# Altium PCB vme64x6U_ctrlc.PcbDoc (part 13 of 16)
Units mm, origin at the board's own origin, x right, y up, seen from the top; angles counter-clockwise.
Board outline 440 x 340 mm, 6 copper layers (TopLayer, PlaneGnd, PlanePwr, MidLayer3, MidLayer4, BottomLayer); 407 components, 1301 nets, 2174 pads, 980 vias.
Unrouted connection lines stored in the file: 264.
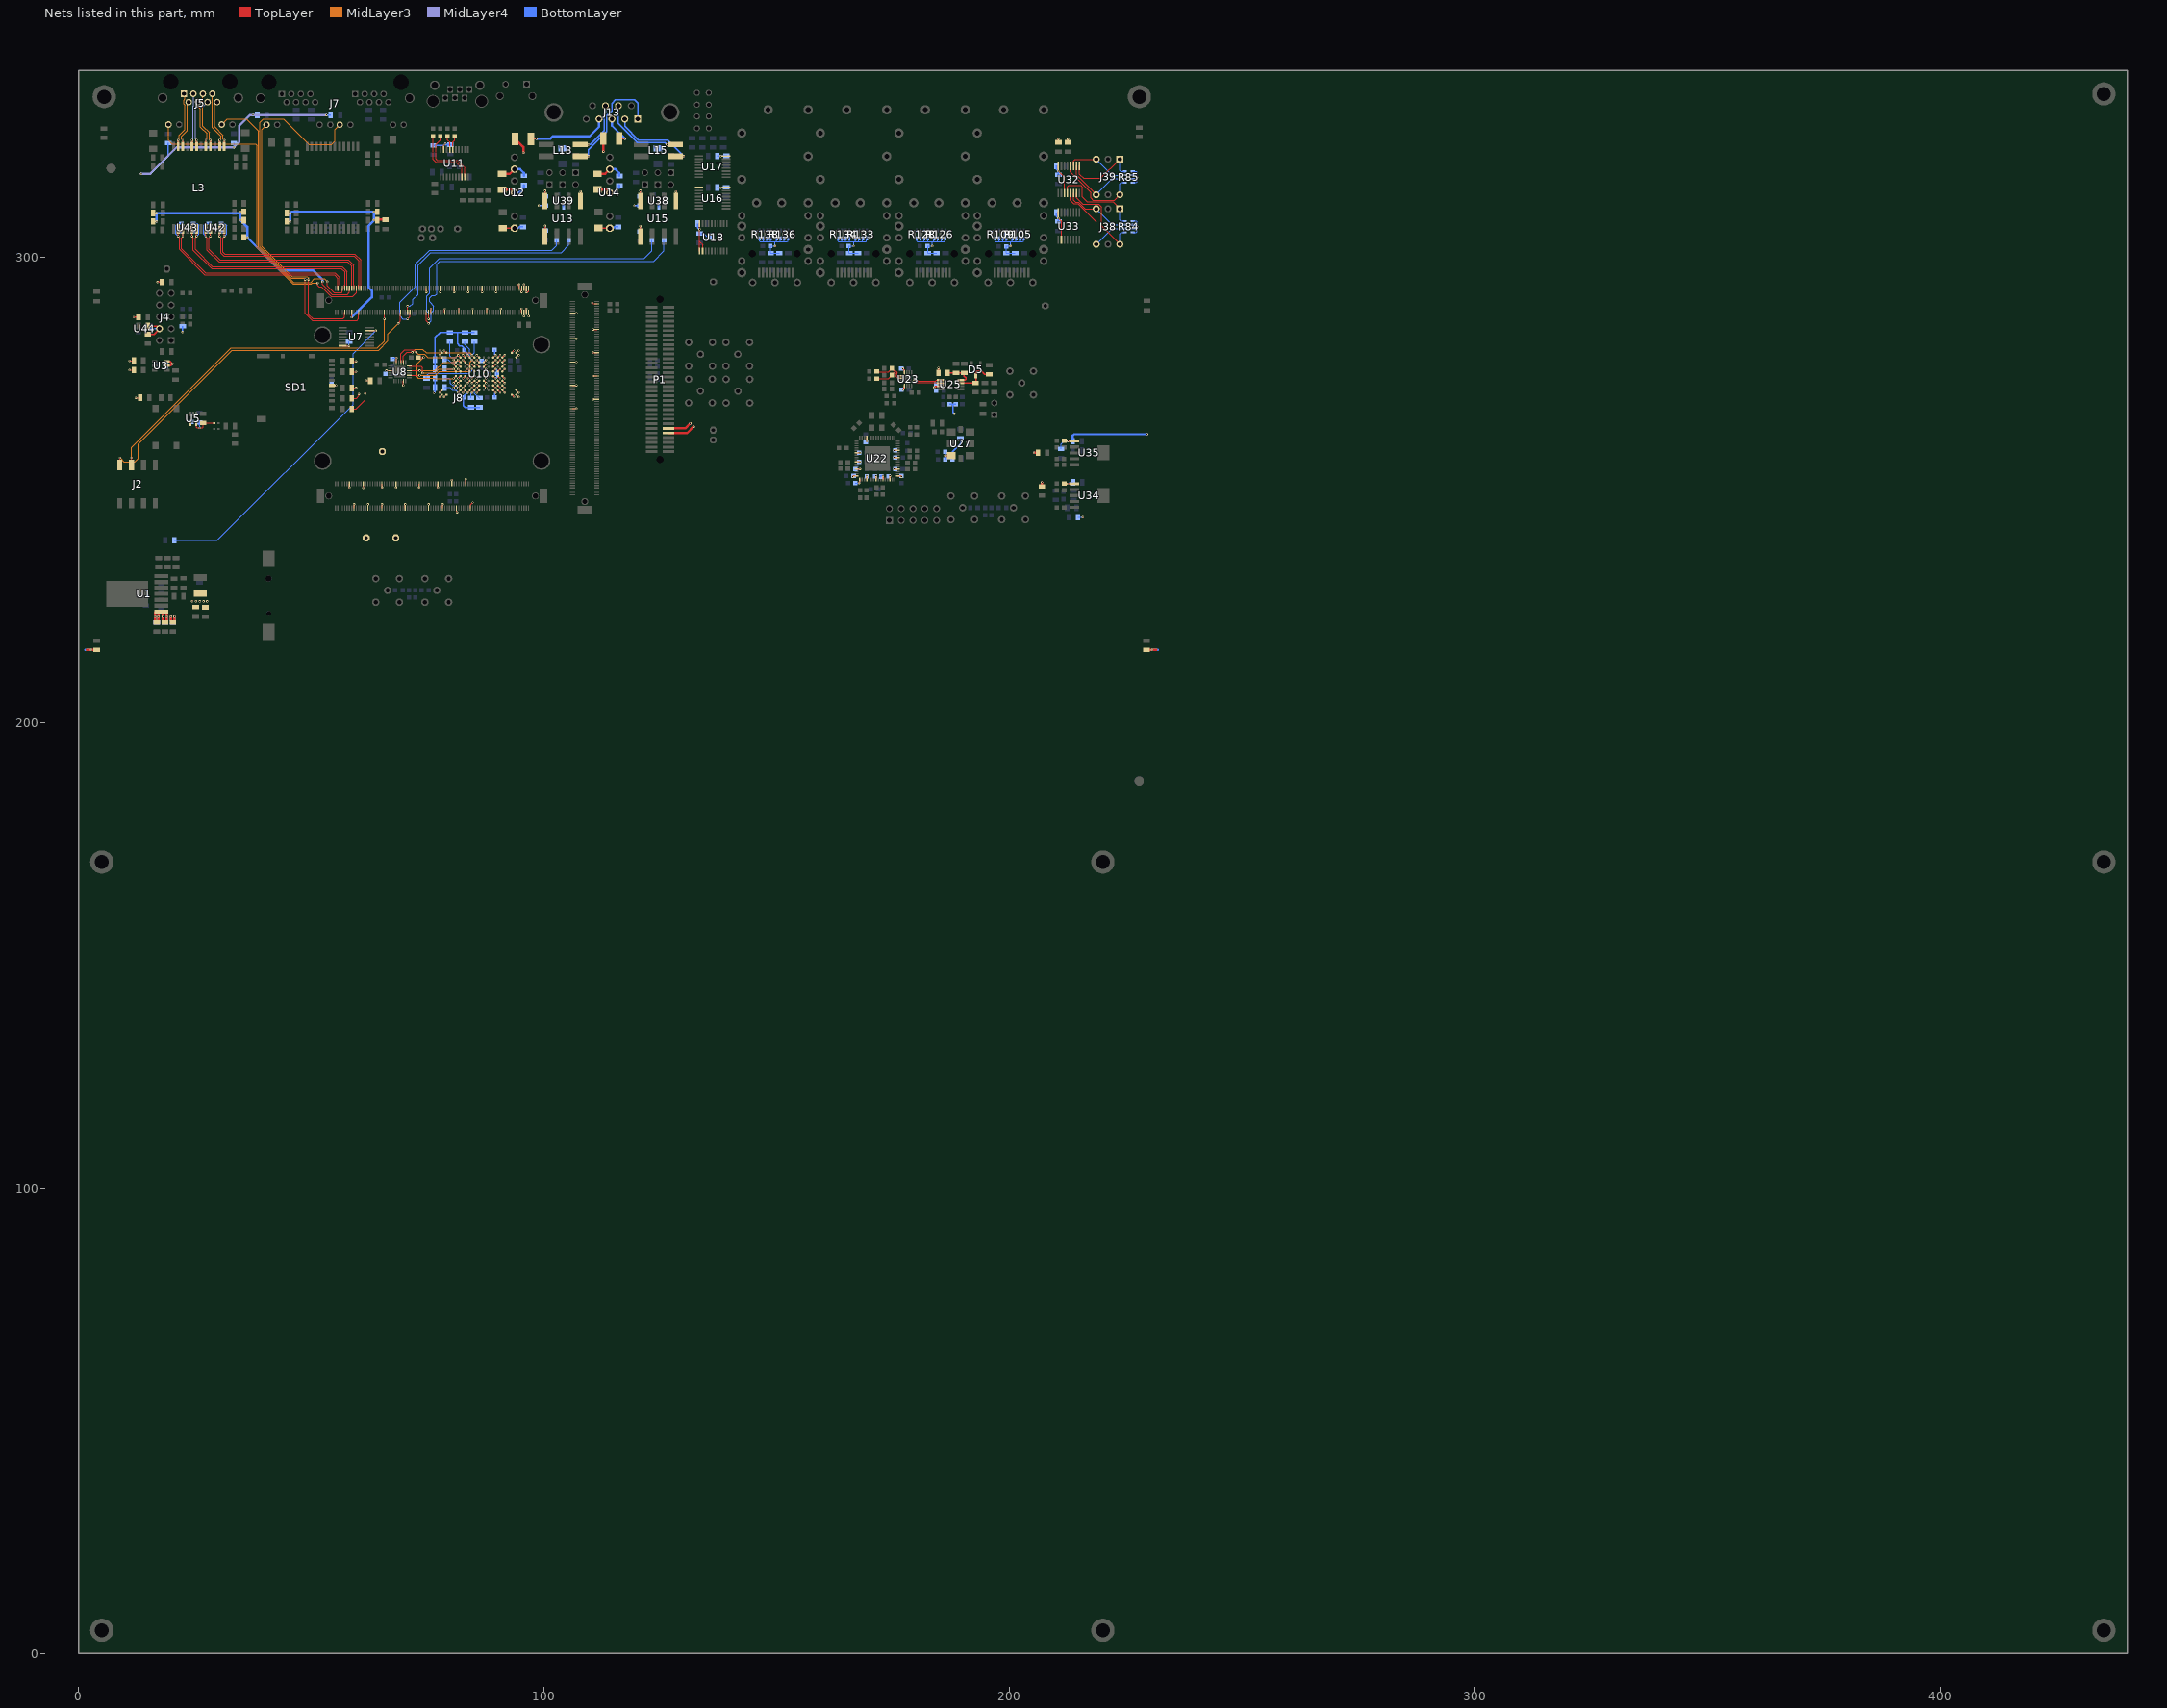
[diagram p17: the nets of this part, all layers, seen from the top]

## Footprints (in the part's own frame and the unit in brackets; to place one, negate y for a bottom-side part, rotate by r counter-clockwise, add the part's x,y. Pads: shape width x height; smd on the part's side, far side on the other; paste and mask are expansions set on the pad) (continued)
TYCO_120521-1 [mm] "1mm Centerline, FH (IEEE 1386) Surface Mount, Stacking Board-to-Board Female Connectors"
  rect 0.6x2.4 smd: 1(1.7,-1.8) 2(1.7,1.8) 3(2.7,-1.8) 4(2.7,1.8) 5(3.7,-1.8) 6(3.7,1.8) 7(4.7,-1.8) 8(4.7,1.8) 9(5.7,-1.8) 10(5.7,1.8) 11(6.7,-1.8) 12(6.7,1.8) 13(7.7,-1.8) 14(7.7,1.8) 15(8.7,-1.8) 16(8.7,1.8) 17(9.7,-1.8) 18(9.7,1.8) 19(10.7,-1.8) 20(10.7,1.8) 21(11.7,-1.8) 22(11.7,1.8) 23(12.7,-1.8) 24(12.7,1.8) 25(13.7,-1.8) 26(13.7,1.8) 27(14.7,-1.8) 28(14.7,1.8) 29(15.7,-1.8) 30(15.7,1.8) 31(16.7,-1.8) 32(16.7,1.8) 33(17.7,-1.8) 34(17.7,1.8) 35(18.7,-1.8) 36(18.7,1.8) 37(19.7,-1.8) 38(19.7,1.8) 39(20.7,-1.8) 40(20.7,1.8) 41(21.7,-1.8) 42(21.7,1.8) 43(22.7,-1.8) 44(22.7,1.8) 45(23.7,-1.8) 46(23.7,1.8) 47(24.7,-1.8) 48(24.7,1.8) 49(25.7,-1.8) 50(25.7,1.8) 51(26.7,-1.8) 52(26.7,1.8) 53(27.7,-1.8) 54(27.7,1.8) 55(28.7,-1.8) 56(28.7,1.8) 57(29.7,-1.8) 58(29.7,1.8) 59(30.7,-1.8) 60(30.7,1.8) 61(31.7,-1.8) 62(31.7,1.8) 63(32.7,-1.8) 64(32.7,1.8)
  round 1 hole 1.5 unplated: 65(0,0) 66(34.4,0)
  silkscreen extent -0.75,-3.73 35.15,3.03, body extent -0.75,-3.02 35.15,3.03, height 5.4

## Part data
C3 C7 C8 C9 C10 C11 C12 C13 C14 C15 C16 C17 C18 C30 C31 C32 C33 C34 C35 C36 C37 C38 C39 C40 C41 C42 C43 C44 C45 C46 C47 C48 C49 C50 C51 C52 C53 C54 C55 C56 C57 C58 C59 C60 C77 C78 C80 C85 C86 C89 C90 C92 C101 C103 C104 C105 C106 C107 C110 C111 C113 C114 C115 C116 C118 C119 C121 C123 C124 C126 C128 C130 C131 C132 C133 C134 C135 C137 C138 C139 C140 C141 C144 C150 C152 C155 C156 C158 C162 C163 C164 C166 C167 C168 C169 C171 C172 C173 C174 C176 C177 C178 C179 C180 C181 C182 C183 C184 C185 C186 C187 C188 C190 C197 C198 C199 C200 C214 C217 C218 C219 C220 C221 C222 C223 C224 C225: library part CAPC, "Generic ceramic SMD capacitor", Last Change Data=06.03.2017, Maintainer="Evgeniy Kotov", Release Date=06.03.2017, SMD Solders=2, THD Solders=0
  C3 C9 C12 C15 C32 C52 C78 C80 C162 C163 C164 C166 C167 C168 C169 C171 C172 C173 C174 C181 C184 C186 C187 C190 C199 C221 C222 C225: PartField=0.1uF, Pkg=0805
  C7 C8 C10 C11 C16 C17 C18 C85 C92 C101 C113 C130 C144 C150 C158 C217 C218 C219 C220 C223 C224: PartField=22uF, Pkg=0805
  C13: PartField=120pF, Pkg=0805
  C14: PartField=270pF, Pkg=0805
  C30 C31 C33 C34: PartField=47uF, Pkg=1006
  C35 C36 C37 C38 C39 C40 C41 C42 C43 C44 C45 C46 C47 C48 C49 C50 C51 C54 C56 C57 C58 C59 C60 C86 C89 C90 C103 C104 C105 C106 C107 C110 C111 C114 C115 C116 C118 C119 C121 C123 C124 C126 C128 C131 C132 C133 C134 C135 C137 C138 C139 C140 C141 C152 C155 C156 C176 C177 C178 C179 C180 C182 C183 C185 C188 C197 C198 C200 C214: PartField=100nF, Pkg=0603
  C53: PartField=1nF, Pkg=0805
  C55 C77: PartField=10nF, Pkg=0603
C4: library part CAPC, "Generic ceramic SMD capacitor / +' x '+Voltage Rating", VoltageRating=2kV, Last Change Data=06.03.2017, Maintainer="Evgeniy Kotov", PartField=1nF, Pkg=1206, Release Date=06.03.2017, SMD Solders=2, THD Solders=0
C5 C6 C19 C20 C21 C24 C25 C26 C27 C29 C70 C71 C72 C75 C175 C212: library part CAPC, "Generic ceramic SMD capacitor", Voltage Rating=10V, Last Change Data=06.03.2017, Maintainer="Evgeniy Kotov", Pkg=0805, Release Date=06.03.2017, SMD Solders=2, THD Solders=0
  C5 C6 C19 C20 C21 C24 C25 C26 C27 C29 C71 C75 C175 C212: PartField=1uF
  C70 C72: PartField=22uF
C22 C23 C28 C165 C170: library part CAPC, "Generic ceramic SMD capacitor", VoltageRating=2kV, Last Change Data=06.03.2017, Maintainer="Evgeniy Kotov", PartField=1nF, Pkg=1206, Release Date=06.03.2017, SMD Solders=2, THD Solders=0
D1 D2: "Schottky Barrier Diode", Forward Current=100mA, Forward Voltage="0.38V @ 1mA / 1V @ 40mA", Reverse Current=15mA, Reverse Voltage=40V, Temperature Range="-55°C to +150°C", Last Change Data=28.03.2017, Maintainer="Evgeniy Kotov", PartField=BAS40SL, Pkg=SOD-923F, Release Date=28.03.2017, SMD Solders=2, THD Solders=0, Vendor=Vishay
D3: library part LED_SMD0603, "SMD Led, 0603", Color=Blue, Forward Current=5mA, Temperature Range="-55°C to +150°C", Last Change Data=28.03.2017, Maintainer="Evgeniy Kotov", PartField="LB Q39E-N1OO-35-1", Pkg=0603, Release Date=28.03.2017, SMD Solders=2, THD Solders=0, Vendor=Vishay
D4: library part LEDx4_H485CGDL, "LED Circuit Board Indicator 4 High Green (x 4) Diffused 2.1V Round with Domed Top, 1.80mm Through Hole", Color=Green, Forward Current=5mA, Temperature Range="-55°C to +150°C", Last Change Data=28.03.2017, Maintainer="Evgeniy Kotov", PartField=H485CGDL, Pkg="8 pin THD Led", Release Date=28.03.2017, SMD Solders=0, THD Solders=8, Vendor="Bivar Inc."
D5: "High Conductance Low Leakage Diode", HelpURL=https://www.engineering.uiowa.edu/sites/default/files/ees/files/NI/pdfs/01/30/DS013013.pdf, PartField=MMBD1503, Pkg=SOT-3N, SMD Solders=3, SolderOption=0, THD Solders=0
J2: library part DIPSW4, "SMD DIP Switch, Omron A6H or A6SN series", Manufacturer=Omron, PartField=A6SN-4104, Pkg="SMD 8pin", SMD Solders=8, THD Solders=0
J3: "Tactile Switch SPST-NO Top Actuated Surface Mount", ComponentLink1Description=Datasheet, Last Change Data=02.04.2017, Maintainer="Evgeniy Kotov", PartField=PTS645SL43SMTR92, Pkg="Button 4 pin", Release Date=02.04.2017, SMD Solders=4, THD Solders=0
J4 J29: library part IDC-10MS, "Connector, 5x2, Male, 2.54mm Pitch, Strait contacts, with Body", ComponentLink1Description=Datasheet, Last Change Data=28.03.2017, Maintainer="Evgeniy Kotov", PartField=IDC-10MC, Pkg=IDC-10, Release Date=28.03.2017, SMD Solders=0, THD Solders=10
J5: library part RJ45-RJHSE-5381, "High Speed RJ45, Modular Jack, 8 Position, 8 Contacts, Shielded, with LEDs, -55 to 85 degC,12-Pin THD, RoHS, Tray", LED Color=Yellow-Green, Manufacturer=Amphenol, Operating Temperature=-55°C~85°C, Package Description="12-Pin Through Hole Device, Body 16.51 x 15.75 mm", Ratings=-, Standard Package=120, 3D Model=RJHSE538x.stpRJHSE538x.igs, Catalog Drawings=RJ45SeriesRightAngle, Category=Connectors,Interconnects, Connector Type=Jack, Contact Finish=Gold, Contact Finish Thickness=50µin(1.27µm), Contact Material=PhosphorBronze, Datasheet URL=https://datasheet.ciiva.com/16481/rjhse538x-16481714.pdf, Datasheet Version="Rev. K, 04/2014", Family=ModularConnectors-Jacks, Featured Product=ModularJacksProductSolutions, Features=BoardLock, Housing Material=Thermoplastic, Ingress Protection=-, Manufacturer URL=http://www.amphenol.com/, Mounting Technology=ThroughHole, Mounting Type=ThroughHole, Number of Ports=1, Number of Positions/Contacts=8p8c(RJ45,Ethernet), Number of Rows=1, Online Catalog=RJHSESeries, Orientation=90°Angle(Right), Other Names=RJHSE5381, Package Reference=RJHSE-5381, Packaging=Tray, PartField=RJHSE-5381, PCN Design/Specification=MultipleSeriesCopper29/Jan/2009RJHSEShieldMaterial30/Jun/2015, Pkg="LAN conn", Series=RJHSE, Shielding=Shielded,EMIFinger, SMD Solders=0, Tab Direction=Up, Termination=Solder, THD Solders=14
J6: library part BAT_CR1220, "BATTERY HOLDER COIN 12.5MM SMD", ComponentLink1Description=Datasheet, Last Change Data=02.04.2017, Maintainer="Evgeniy Kotov", PartField=BC501SM, Pkg="12MM SMD", Release Date=02.04.2017, SMD Solders=2, THD Solders=0
J7: library part RJ45-RJHSE-5381-2, "Dual Port, High Speed RJ45, Modular Jack, 8 Position, 8 Contacts, Shielded, with LEDs, -55 to 85 degC,12-Pin THD, RoHS, Tray", LED Color=Yellow-Green, Manufacturer=Amphenol, Operating Temperature=-55°C~85°C, Package Description="12-Pin Through Hole Device, Body 16.51 x 15.75 mm", Package Reference=RJHSE-5381, Ratings=-, Standard Package=120, 3D Model=RJHSE538x.stpRJHSE538x.igs, Catalog Drawings=RJ45SeriesRightAngle, Category=Connectors,Interconnects, Connector Type=Jack, Contact Finish=Gold, Contact Finish Thickness=50µin(1.27µm), Contact Material=PhosphorBronze, Datasheet URL=https://datasheet.ciiva.com/16481/rjhse538x-16481714.pdf, Datasheet Version="Rev. K, 04/2014", Family=ModularConnectors-Jacks, Featured Product=ModularJacksProductSolutions, Features=BoardLock, Housing Material=Thermoplastic, Ingress Protection=-, Manufacturer URL=http://www.amphenol.com/, Mounting Technology=ThroughHole, Mounting Type=ThroughHole, Number of Ports=1, Number of Positions/Contacts=8p8c(RJ45,Ethernet), Number of Rows=1, Online Catalog=RJHSESeries, Orientation=90°Angle(Right), Other Names=RJHSE5381, Packaging=Tray, PartField=RJHSE-5381-2, PCN Design/Specification=MultipleSeriesCopper29/Jan/2009RJHSEShieldMaterial30/Jun/2015, Pkg="LAN x2", Series=RJHSE, Shielding=Shielded,EMIFinger, SMD Solders=0, Tab Direction=Up, Termination=Solder, THD Solders=28
J8: library part FX10A-168P-SV_ME-SA2+, HelpURL=https://www.hirose.com/product/document?clcode=CL0570-0044-8-71&productname=FX10A-168P-SV(71)&series=FX10&documenttype=Catalog&lang=ru&documentid=D31650_en, PartField=FX10A-168P-SV1(71), PIN_COUNT=168, Pkg="SMD 170pin", SMD Solders=170, SolderOption=0, THD Solders=0
J9: library part RJ-14, PartField=1734723-1@TYCO, Pkg=RJ14-6p, SMD Solders=0, THD Solders=10
J10 J12 J20 J21 J23 J24 J32 J36 J37: library part LEMO_EPA.00.250, PartField=EPA.00.250.NTN, Pkg="LEMO 5pin", SMD Solders=0, SolderOption=0, THD Solders=5
J11: "Tactile Switch SPST-NO Side Actuated Through Hole, Right Angle", ComponentLink1Description=Datasheet, Last Change Data=02.04.2017, Maintainer="Evgeniy Kotov", PartField=PTS645VL582LFS, Pkg="Button 4 pin", Release Date=02.04.2017, SMD Solders=0, THD Solders=4
J13: "D-SUB; 9-pin, male, flange 7.2mm", PartField=DRB-9MA, Pkg=DRB-9MA, SMD Solders=0, SolderOption=0, THD Solders=11
J14 J15 J16 J17 J18 J19: "Connector, 5x2, Male, 2.54mm Pitch, Right Angle", ComponentLink1Description=Datasheet, Last Change Data=02.04.2017, Maintainer="Evgeniy Kotov", PartField=PLS-2, Pkg=PLS-2, Release Date=02.04.2017, SMD Solders=0, THD Solders=2
J25 J27 J30 J33: library part MOLX-74754-0101, "SFP+ Cage, Single Port, Height 10.85 mm, Tail Height 3.05 mm, -40 to 85 degC, RoHS, Tray", Package Quantity=1152, ComponentLink1Description="Manufacturer URL", ComponentLink1URL=http://www.molex.com/, ComponentLink2Description=Datasheet, ComponentLink2URL=http://www.molex.com/webdocs/datasheets/pdf/en-us/0747540101_IO_CONNECTORS.pdf, ComponentLink3Description="Package Specification", ComponentLink3URL=http://www.molex.com/pdm_docs/sd/747540101_sd.pdf, DatasheetVersion="Rev. Jul-15", Height="10.85 mm", Length="15.9 mm", Mounting Technology="Through Hole", PackageDescription="SFP+ Cage, Single Port, Height 10.85 mm, Tail Height 3.05 mm", PackageVersion="Rev. J, 02/2015", Packaging=Tray, PartField=74754-0101, PartNumber=74754-0101, Pkg="SFP cage", Radiation Hardening=No, RoHSCompliant=True, SMD Solders=0, THD Solders=20, Width="49 mm"
J26 J28 J31 J34: library part MOLEX-74441-0001, "CONN SFP+ RCPT 20POS SLD R/A SMD", Package Quantity=1152, ComponentLink1Description="Manufacturer URL", ComponentLink1URL=http://www.molex.com/, ComponentLink2Description=Datasheet, ComponentLink2URL=http://www.molex.com/webdocs/datasheets/pdf/en-us/0747540101_IO_CONNECTORS.pdf, ComponentLink3Description="Package Specification", ComponentLink3URL=http://www.molex.com/pdm_docs/sd/747540101_sd.pdf, DatasheetVersion="Rev. Jul-15", Height="10.85 mm", Length="15.9 mm", Mounting Technology="Through Hole", PackageDescription="CONN SFP+ RCPT 20POS SLD R/A SMD", PackageVersion="Rev. J, 02/2015", Packaging=Tray, PartField=74441-0001, PartNumber=74441-0001, Pkg="SMD SFP conn", Radiation Hardening=No, RoHSCompliant=True, SMD Solders=20, THD Solders=0, Width="49 mm"
J35: library part JUMPER2, PartField=PLS-2, Pkg=PLS-2, SMD Solders=0, SolderOption=0, THD Solders=2
L2 L5 L6 L7: library part BLM21RK102SN1D, "Ferrite Beads, 0805, 1 kOhm", DC Current=200mA, DC Resistance=500m?, Temperature Range="-55°C to +125°C", Tolerance=25%, Last Change Data=30.03.2017, Maintainer="Evgeniy Kotov", PartField=BLM21RK102SN1D, Pkg=0805, Release Date=30.03.2017, SMD Solders=2, THD Solders=0, Vendor=Murata
L3 L9: library part LAN_1G_TR_H5008NL, "LAN Transformer fog 1GbE, 12 coils, 4 pairs.", Temperature Range="-25°C to +85°C", Tolerance=2%, Last Change Data=31.03.2017, Maintainer="Evgeniy Kotov", PartField=H5008NL, Pkg=H5008NL, Release Date=31.03.2017, SMD Solders=2, THD Solders=0, Vendor="Pulse Electronics"
L4 L12 L14: "Inductor, Fixed, 1210, 4.7uH, 216mOhm, 1A, 30%", DC Current=750mA, DC Resistance=380m?, Temperature Range="-40°C to +105°C", Tolerance=20%, Last Change Data=30.03.2017, Maintainer="Evgeniy Kotov", PartField=LQH32PN4R7NN0L, Pkg=1210, Release Date=30.03.2017, SMD Solders=2, THD Solders=0, Vendor=Murata
L7 L8 L10 L11: "Ferrite Beads, 0805, 1 kOhm", DC Current=200mA, DC Resistance=500m?, Temperature Range="-55°C to +125°C", Tolerance=25%, Last Change Data=30.03.2017, Maintainer="Evgeniy Kotov", PartField=BLM21RK102SN1D, Pkg=0805, Release Date=30.03.2017, SMD Solders=2, THD Solders=0, Vendor=Murata
L16 L17 L18 L19 L20 L21 L22 L23: "Ferrite Beads, 0805, 220 Ohm, 2A", DC Current=200mA, DC Resistance=50m?, Temperature Range="-55°C to +125°C", Tolerance=25%, Last Change Data=30.03.2017, Maintainer="Evgeniy Kotov", PartField=BLM21PG221SN1, Pkg=0805, Release Date=30.03.2017, SMD Solders=2, THD Solders=0, Vendor=Murata
P1: library part PCI_PMC_TYCO_120521-1, "PCI Mezzanine Connector; IEEE 1386", Manufacturer="TE Connectivity", PartField=TYCO_120521-1, Pkg="SMD 64 pin", SMD Solders=64, THD Solders=0
R1 R2 R3 R7 R8 R9 R10 R11 R12 R13 R14 R15 R16 R17 R18 R19 R20 R21 R22 R23 R24 R25 R26 R27 R28 R29 R30 R31 R32 R33 R34 R35 R36 R37 R38 R39 R40 R41 R42 R43 R44 R45 R46 R53 R54 R55 R56 R57 R58 R59 R60 R61 R62 R63 R64 R65 R66 R68 R69 R70 R71 R72 R73 R74 R75 R77 R79 R80 R81 R90 R91 R93 R94 R95 R96 R108 R112 R115 R116 R118 R119 R120 R122 R124 R127 R130 R132 R139 R140 R141 R142 R143 R144 R145 R146 R147 R148 R149 R150 R151 R152 R153 R154 R155 R156 R157 R158 R159 R160 R161 R162 R163 R164 R165 R166 R167 R169 R170 R171 R172 R174 R175 R176 R177 R178 R179 R180 R183 R184 R185 R186 R189 R190 R191 R192 R193 R194: library part RESC, "Resistor, Generic, SMD", Last Change Data=09.03.2017, Maintainer="Evgeniy Kotov", Release Date=06.03.2017, SMD Solders=2, THD Solders=0
  R1 R2 R80 R81: PartField=10M?, Pkg=0805
  R3 R73 R74 R79 R189: PartField=0?, Pkg=0805
  R7 R9 R15 R28 R29 R30 R31 R32 R35 R64 R163 R164 R165 R166 R167 R169 R170 R171 R172 R175 R191: PartField=10k?, Pkg=0805
  R8 R10 R21 R39 R69 R71 R174: PartField=51k?, Pkg=0805
  R11 R14 R17 R25 R43 R44 R45 R46 R141 R143 R145 R146 R192: PartField=1k?, Pkg=0805
  R12 R13 R23 R24 R26 R27 R33 R34 R178 R179 R183 R184: PartField=75?, Pkg=0805
  R16: PartField=75k?, Pkg=0805
  R18 R36 R37 R38 R40 R41 R42 R53 R63 R65 R66 R132 R148 R153 R156 R157 R176: PartField=22?, Pkg=0603
  R19 R20 R54 R59 R108 R112 R115 R116 R130 R149 R150 R151 R152 R159 R160 R161 R162 R177 R190: PartField=100?, Pkg=0603
  R22: PartField=43k?, Pkg=0805
  R55 R56 R57 R58: PartField=91?, Pkg=0603
  R60: PartField=68?, Pkg=0603
  R61: PartField=820?, Pkg=0603
  R62 R72: PartField=51?, Pkg=0805
  R68 R70 R90 R95 R180 R185 R186 R193: PartField=150?, Pkg=0805
  R75 R77 R93 R94 R96 R119 R120 R139 R140 R142 R144: PartField=5.1k?, Pkg=0805
  R91: PartField=12k?, Pkg=0805
  R118 R122 R124 R127: PartField=*?, Pkg=0603
  R147 R154 R155 R158: PartField=62?, Pkg=0805
  R194: PartField=24k?, Pkg=0805
R84 R85 R105 R109 R126 R128 R133 R134 R136 R138: library part RESPACK4, Last Change Data=16.05.2019, Maintainer="Anton Pavlenko", Pkg="SMD 8pin", Release Date=16.05.2019, SMD Solders=8, THD Solders=0
  R84 R85: PartField=CAY16-4702F4LF
  R105 R109 R126 R128 R133 R134 R136 R138: PartField=CAY16-1002F4LF
SD1: "Micro SD Card Connector, 0.5 A, 125 V, -25 to 85 degC, 8-Pin SMD, RoHS, Tape and Reel", Manufacturer="Hirose Electric", Package Description="8-Pin Surface Mount Device, Body 16.15 x 13.85 mm, Pitch 1.1 mm", Package Reference=DM3AT-8, Standard Package=1, Card Type=SecureDigital-microSD™, Category=Connectors,Interconnects, Connector Type=ConnectorandEjector, Contact Finish=Gold, Contact Finish Thickness=-, Datasheet URL=https://ciiva.com/datasheet-click-46418261?src=ciiva&sig=4019062a, Datasheet Version=Jun-10, Ejector Side=-, Family=MemoryConnectors-PCCardSockets, Featured Product=DM3ATSeries, Features=Switch, HTML Datasheet=DM3SeriesmicroSD.html, Insertion, Removal Method=PushIn,PushOut, Manufacturer URL=https://www.hirose.com, Mounting Feature=Normal,Standard-Top, Mounting Type=SurfaceMount,RightAngle, Number of Positions=10(8+2), Online Catalog=DM3Series, Other Names=HR1964DKR, Package URL=https://www.hirose.com/product/en/download_file/key_name/DM3/category/Catalog/doc_file_id/49662/?file_category_id=4&item_id=195&is_series=1, Packaging=Digi-Reel, PartField=DM3AT-SF-PEJM5, Pkg="SD card hlder", Product Training Modules=DM3SeriesmicroSDCardSockets, Series=DM3, SMD Solders=14, THD Solders=0, Vendor="Hirose Electric"
TP1 TP2 TP3 TP4 TP5 TP6 TP7 TP8 TP9 TP10 TP11 TP12 TP13 TP14: library part TestPoint, "testPoint", PartField="test point", Pkg=DNP, SMD Solders=0, SolderOption=0, THD Solders=0, Vendor=BINP
U1: library part LMZ10504EXT_NDW, "4A, SIMPLE SWITCHER® Power Module with 5.5V Maximum Input Voltage for Military and Rugged Applications", Manufacturer="Texas Instruments", Manufacturer_Part_Number=lmz10504ext_ndw_7, NSC_PackageReference=TZA07A, basePN=LMZ10504EXT, HelpURL=http://www.ti.com/lit/ds/symlink/lmz10504ext.pdf, PartField=LMZ10504EXT, Pkg=PMOD-7EP, SMD Solders=8, THD Solders=0, Vendor="Texas Instruments"
U3: "Low-Quiescent-Current Programmable-Delay Supervisory Circuit", ComponentLink1Description=Datasheet, ComponentLink1URL=http://www.ti.com/lit/ds/symlink/dac7565.pdf, Last Change Date=19.03.2017, Maintainer="Evgeniy Kotov", PartField=TPS3808G33QDBVRQ1, Pkg=SOT23-6, Release Date=19.03.2017, SMD Solders=6, THD Solders=0, Vendor="Texas Instruments"
U5: "Ultra low power (Iq=1.2 mkA) LDO 3.3V Fixed", Manufacturer="Texas Instruments", PACKAGE_DESIGNATOR=MF, FAMILY_NAME=LDO, GENERIC_PART_NUMBER=TPS79733DCK, HelpURL=http://www.ti.com/lit/ds/symlink/tps797.pdf, INDUSTRY_STD_PKG_TYPE=SC70-5, Manufacturer_Part_Number=TPS79733DCK, PartField=TPS79733DCK, PIN_COUNT=5, Pkg=SC70-5, SMD Solders=5, THD Solders=0, Vendor="Texas Instruments"
U7: "Sextuple NOR Gate", Manufacturer="Texas Instruments", PACKAGE_DESIGNATOR=PW, FAMILY_NAME=NOR_GATE, GENERIC_PART_NUMBER=SN74LVC04APW, HelpURL=http://www.ti.com/lit/ds/symlink/sn74lvc04a.pdf, INDUSTRY_STD_PKG_TYPE=TSSOP, Manufacturer_Part_Number=SN74LVC04APW, PartField=SN74LVC04APW, PIN_COUNT=14, Pkg=PW-14, SMD Solders=14, THD Solders=0, Vendor="Texas Instruments"
U8: library part TXS02612_RTW_24, "IC SDIO PORT EXPANDER AND LEVEL SHIFTER", Manufacturer="Texas Instruments", Manufacturer_Part_Number=txs02612_rtw_24, PACKAGE_DESIGNATOR=RTW, Datasheet URL=http://www.ti.com/lit/gpn/TXS02612, FAMILY_NAME="APPLICATION SPECIFIC (COMPACT FLASH, SD, MMC, I2C)", GENERIC_PART_NUMBER=TXS02612RTWR, INDUSTRY_STD_PKG_TYPE=QFN, PartField=TXS02612RTWR, PIN_COUNT=24, Pkg=QFN-24EP, RefDes=RefDes, SMD Solders=25, THD Solders=0, Type=DEV, Vendor="Texas Instruments"
U10: library part MTFC32GAKAENA, PartField="MTFC8GACAEDQ-AAT TR", Pkg=LBGA-100, SMD Solders=100, THD Solders=0
U11: library part ADM3222ARU, "RS232", ComponentLink1URL=https://www.analog.com/media/en/technical-documentation/data-sheets/ADM3202_3222_1385.pdf, Last Change Date=24.05.2019, PartField=ADM3222ARUZ, Pkg=TSSOP-20, SMD Solders=20, THD Solders=0, Vendor="Analog Devices"
U12 U14: "AM3G-0505DZ", Manufactuer=Aimtec, HelpURL=http://www.aimtec.com/site/Aimtec/files/Datasheet/HighResolution/AM1D-NZ.pdf, Manufacturer=Aimtec, PartField=AM1D-0505S-N, Pkg=SIP-7pin, SMD Solders=0, SolderOption=0, THD Solders=7, Vendor=Aimtec
U16 U17 U32 U33: "8-Bit I2C-Bus and SMBus Low Power I/O Port with Interrupt", Case=SSOP16, Manufacturer="ANALOG DEVICES", Author="CERN DEM JLC", Bonding=No, ComponentHeight=1.1mm, Component Type=Standard, CreateDate=18/12/2013, Device=PCA9534PW, HelpURL=\\cern.ch\dfs\Applications\Altium\Datasheets\PCA9534PW.pdf, LatestRevisionDate=18/12/2013, Manufacturer Part Number=PCA9534PW, Mounted=Yes, PackageDescription="SOP, 0.65mm pitch; 16 pin, 4.40mm W X 5.00mm L X 1.10mm H body IPC Medium Density", Part Description="8-Bit I2C-Bus and SMBus Low Power I/O Port with Interrupt", PartField=PCA9534PW, Part Number=PCA9534PW, Pin Count=16, Pkg=SSOP16, PressFit=No, Sense=No, SMD=Yes, SMD Solders=16, Socket=No, THD Solders=0
U18: "4-Channel I2C-Bus Multiplexer with Interrupt Logic", Case=SSOP20, Manufacturer="NXP SEMICONDUCTORS", Author="CERN DEM JLC", Bonding=No, ComponentHeight=1.1mm, Component Type=Standard, CreateDate=06/10/2014, Device=PCA9544APW, HelpURL=\\cern.ch\dfs\Applications\Altium\Datasheets\PCA9544APW.pdf, LatestRevisionDate=06/10/2014, Manufacturer Part Number=PCA9544APW, Mounted=Yes, PackageDescription="SOP, 20-Leads, Body 6.6x4.5mm (max), Pitch 0.65mm, IPC Medium Density", Part Description="4-Channel I2C-Bus Multiplexer with Interrupt Logic", PartField=PCA9544APW, Part Number=PCA9544APW, Pin Count=20, Pkg=SSOP20, PressFit=No, Sense=No, SMD=Yes, SMD Solders=20, Socket=No, THD Solders=0
U22: library part Si5395A, Manufacturer=SiLabs, PartField=Si5395A-A-GM, Pkg=QFN-64EP, SMD Solders=65, THD Solders=0, Vendor=SiLabs
U23: "IC CLK FANOUT BUFFER 1:2 16LFCSP", Ambient Temperature Range High=+85°C, Ambient Temperature Range Low=-40°C, Manufacturer="Silicon Labs", Max Junction Temp=+125°C, Max Supply Voltage=3.63V, Min Supply Voltage=1.71V, Nominal Supply Current=65mA, Temperature="-40°C to +85°C", Automotive=No, Category=IC, ComponentLink2Description=Datasheet, ComponentLink2URL=https://www.silabs.com/documents/public/data-sheets/si5330x-datasheet.pdf, Device Class L1="Integrated Circuits (ICs)", Device Class L2="Clock and Timing", Device Class L3="Clock Buffers", Digikey Description="IC CLK BUFFER 2:4 725MHZ 16QFN", Height=0.9mm, Ipc Land Pattern Name=QFN50P300X300X85-16, Last Change Data=09.03.2017, Lead Free=Yes, Logic Function=Non-Inverting, Maintainer="Evgeniy Kotov", Manufacturer Part Number=ADCLK925BCPZ, Mouser Description="Clock Buffer 1:2 Univ bufr/Lvl Trans 725MHz", Number Of Elements=1, Number Of Inputs=2, Number Of Outputs=4, Octopart=https://octopart.com/si53307-b-gm-silicon+labs-51374320, PartField=ADCLK925BCPZ, Pkg=LFCSP-16EP, Propagation Delay=875ps, RoHS=TRUE, SMD Solders=17, Standoff Height=0mm, Temperature Range High=+85°C, Temperature Range Low=-40°C, THD Solders=0
U25: "LVDS Comparator", Manufacturer_Part_Number=ADCMP553BRMZ, PartField=ADCMP553BRMZ, Pkg=MSOP-8, SMD Solders=8, SolderOption=0, THD Solders=0, Vendor="Analog Devices Inc"
U27: library part Si570, "XTAL OSCILLATOR SMD", Ambient Temperature Range High=+85°C, Ambient Temperature Range Low=-40°C, Frequency=0.2-1500MHz, Manufacturer="Silicon Labs", Manufacturer Part Number=541AAA001040BAGR, Max Supply Voltage=3.465V, Min Supply Voltage=2.375V, Nominal Supply Current=100mA, Temperature="-40°C to +85°C", Automotive=No, Category=IC, ComponentLink2Description=Datasheet, ComponentLink2URL=https://www.silabs.com/documents/public/data-sheets/si541-datasheet.pdf, Device Class L1="Integrated Circuits (ICs)", Device Class L2="Clock and Timing", Device Class L3="Timers and Oscillators", Digikey Description="XTAL OSCILLATOR SMD", Height=1.33mm, Last Change Data=09.03.2017, Lead Free=Yes, Maintainer="Evgeniy Kotov", Octopart=https://octopart.com/541aaa001040bagr-silicon+labs-103392146, PartField=570CBC000306DG, Pkg="SMD 6pin", RoHS=TRUE, SMD Solders=6, Temperature Range High=+85°C, Temperature Range Low=-40°C, THD Solders=0
U34: "Single Output LDO, 1.0A, Adj.(1.295 to 5.5V), Low Noise, Fast Transient Response", Manufacturer="Texas Instruments", Manufacturer_Part_Number=reg104-a_dcq_6, PACKAGE_DESIGNATOR=DCQ, Datasheet URL=http://www.ti.com/lit/gpn/REG104-A, FAMILY_NAME="SINGLE CHANNEL LDO", GENERIC_PART_NUMBER=REG104GA-A, INDUSTRY_STD_PKG_TYPE=SOT-223, PartField=REG104GA-A, PIN_COUNT=6, Pkg=SOT-5EP, SMD Solders=6, THD Solders=0, Vendor="Texas Instruments"
U35: "Single Output LDO, 1.0A, Fixed (3.3V), Low Noise, Fast Transient Response", Manufacturer="Texas Instruments", Manufacturer_Part_Number=reg104-33_dcq_6, PACKAGE_DESIGNATOR=DCQ, Datasheet URL=http://www.ti.com/lit/gpn/REG104-A, FAMILY_NAME="SINGLE CHANNEL LDO", GENERIC_PART_NUMBER=REG104GA-3.3, INDUSTRY_STD_PKG_TYPE=SOT-223, PartField=REG104GA-3.3, PIN_COUNT=6, Pkg=SOT-5EP, SMD Solders=6, THD Solders=0, Vendor="Texas Instruments"
U40 U41 U42 U43 U44: "Transimpedance Amplifier; Selectable-Feedback Resistance", ComponentLink1Description=Datasheet, ComponentLink1URL=http://assets.nexperia.com/documents/data-sheet/IP4220CZ6.pdf, Last Change Date=28.03.2017, Maintainer="Evgeniy Kotov", PartField=IP4220CZ6, Pkg=SOT457, Release Date=28.03.2017, SMD Solders=6, THD Solders=0, Vendor=NXP
XC1: library part XTAL_CX3225SB48, "Kyocera XTAL 48MHz CX3225SB48000D0WPSC1", Last Change Data=09.03.2017, Maintainer="Evgeniy Kotov", PartField=CX3225SB48000D0WPSC1, Pkg="4 pin SMD", Release Date=06.03.2017, SMD Solders=4, THD Solders=0, Vendor=Kyocera
J38 J39: PartField=ERD116XSZ, Pkg="Rotary 6pin", SMD Solders=0, SolderOption=0, THD Solders=6, Vendor=ECE
L13 L15: PartField=B82790C0513, Pkg="SMD 4 pin", SMD Solders=4, THD Solders=0, Vendor=Epcos
U13 U15: Order=main, PartField=ISO1050DU, Pkg=SOP-8, SMD Solders=8, THD Solders=0
U38 U39: ComponentLink1Description=Datasheet, ComponentLink1URL=https://static.chipdip.ru/lib/081/DOC001081416.pdf, Last Change Data=05.03.2020, PartField=SM712, Pkg=SOT23-3, SMD Solders=3, THD Solders=0, Vendor=SemTech

## Free pads (board coordinates)
  round 5 hole 3: 0(5,5) 0(5,170) 0(5.5,334.4) 0(220,5) 0(220,170) 0(227.85,334.4) 0(435,5) 0(435,170) 0(435,335)
  round 2 smd mask+1: 2(7,319) 2(227.8,187.4)
  round 2 smd far side mask+1: 2(7,319) 2(227.8,187.4)

## Via types
v1: diameter 0.5, hole 0.2, TopLayer to BottomLayer, tented both sides, 980 vias

## Nets (pads, with @x,y where several pads share a name; then routed paths per layer and width w, separated by ;. In a path a pad name is that pad's centre, name@x,y a point inside that pad or via, vN(x,y) a via of type N, cw(c..) or ccw(c..) an arc to the next point about the centre after c; other vN are vias at no path point)
1V8DPLL: C123.2 C124.2 C139.2 R74.1 U22.32 U22.46 U22.60 | length 3.3
  TopLayer w0.3: v1(166.3,252.8) 166.425,252.925 U22.32@167.075,252.925 ; U22.46@174.275,252.225 v1(174.275,253) ; v1(175.2,258.425) U22.60@175.975,258.425
  TopLayer w0.5: R74.1@206.925,250.7 v1(206.925,251.575)
3V3BATLDO: C212.2 D2.1 R21.2 U5.5 | length 6.9
  TopLayer w0.25: U5.5@25.3,264.125 25.3,263.375 25.425,263.25 v1(26.05,263.25) 26.675,263.25 26.775,263.35 R21.2@26.775,264.3 26.79,264.285 D2.1@29.13,264.285
  BottomLayer w0.25: C212.2@25.95,264.45 25.925,264.425 25.925,263.775 26.05,263.65 v1(26.05,263.25)
3V3d_: 
3V3DDS: 
3V3DPLL: C135.2 R73.1 U22.13 | length 1.7
  TopLayer w0.3: v1(169.275,260.35) U22.13@169.275,261.125
  TopLayer w0.5: v1(205.2,257.9) R73.1@206.075,257.9
3V3H: 
3V3int: 
3V3RF: 
3V3s_: 
3V3SL: 
3Vi: 
12DDS: 
+1V8MOD: J8.B52 J8.B76 J8.B108 J8.B128 TP4.1 | length 3.8
  TopLayer w0.2: J8.B128@65.175,246.05 v1(65.175,246.85) ; J8.B108@70.175,246.05 v1(70.175,246.85) ; J8.B76@78.175,246.05 v1(78.175,246.85) ; J8.B52@84.175,246.05 84.175,246.75 v1@84.65,247.225
  other v1: 84.675,247.225
+2V5MOD: C118.2 C119.2 C121.2 C126.2 C128.2 C131.2 C132.2 C133.2 C137.2 C138.2 J8.A53 J8.A62 J8.A65 J8.A89 J8.B64 J8.B67 J8.B88 J8.B95 J8.B140 J8.B143 J8.C76 J8.C83 J8.C116 J8.C123 J8.C158 J8.C165 TP2.1 U22.22 U22.26 U22.29 U22.33 U22.36 U22.40 U22.43 U22.49 U22.52 U22.57 | length 23.9
  TopLayer w0.15: J8.C76@106.125,267.4 v1(106.925,267.4) ; J8.C116@106.125,277.4 v1(106.925,277.4) ; J8.C158@106.125,287.9 v1(106.925,287.9) ; v1(110.525,269.4) J8.C83@111.325,269.4 ; v1@110.525,279.4 J8.C123@111.325,279.4 ; v1@110.525,289.918 J8.C165@111.325,289.918
  TopLayer w0.2: v1(61.175,250.4) J8.B143@61.175,251.25 ; J8.B140@62.175,246.05 v1(62.175,246.85) ; v1(73.175,250.45) J8.B95@73.175,251.25 ; v1(74.675,292.45) J8.A89@74.675,293.25 ; J8.B88@75.175,246.05 v1(75.175,246.85) ; J8.B67@80.175,251.25 v1(80.175,252.05) ; v1(80.675,292.45) J8.A65@80.675,293.25 ; J8.B64@81.175,246.05 81.175,245.25 v1(81.3,245.125) ; J8.A62@81.675,288.05 v1(81.675,288.85) ; v1(83.675,292.45) J8.A53@83.675,293.25
  TopLayer w0.3: U22.29@167.075,254.425 v1(167.85,254.425) ; U22.26@167.075,255.925 v1(167.85,255.925) ; U22.22@167.075,257.925 v1(167.85,257.925) ; v1(167.65,251.45) 167.775,251.575 U22.33@167.775,252.225 ; U22.36@169.275,252.225 v1(169.275,253) ; U22.40@171.275,252.225 v1(171.275,253) ; U22.43@172.775,252.225 v1(172.775,253) ; v1(175.2,254.425) U22.52@175.975,254.425 ; v1(175.2,256.925) U22.57@175.975,256.925 ; U22.49@175.975,252.925 176.625,252.925 v1(176.75,252.8)
  BottomLayer w0.25: C137.2@166.85,251.4 167.6,251.4 v1(167.65,251.45) ; C138.2@166.85,254.425 v1(167.85,254.425)
  BottomLayer w0.3: C128.2@170.9,253 v1(171.275,253) ; C126.2@172.075,252.8 172.275,253 v1(172.775,253)
  other v1: 110.425,279.5 110.35,290.093
+3.3VD: C3.2 C16.2 C17.2 C58.2 C70.2 C78.1 C80.1 C90.2 C103.1 C104.1 C106.1 C107.1 C111.2 C115.2 C116.2 C141.2 C156.2 C162.1 C163.1 C164.1 C167.2 C172.2 C177.1 C178.1 C179.1 C180.1 C182.1 C183.1 C187.2 C197.1 C198.1 C200.1 C221.2 J4.4 J8.A38 J8.A41 J8.A74 J8.A77 L4.2 L16.1 L17.1 L18.1 L19.1 L20.1 L21.1 L22.1 L23.1 P1.9 P1.11 R7.1 R8.1 R9.2 R10.1 R11.2 R15.2 R28.1 R29.1 R30.1 R31.1 R32.1 R35.2 R64.2 R75.2 R77.2 R84.5 R84.6 R84.7 R84.8 R85.5 R85.6 R85.7 R85.8 R90.2 R93.1 R94.1 R105.1 R105.2 R105.3 R105.4 R109.1 R109.2 R109.3 R109.4 R119.1 R120.1 R122.1 R124.1 R126.1 R126.2 R126.3 R126.4 R128.1 R128.2 R128.3 R128.4 R133.1 R133.2 R133.3 R133.4 R134.1 R134.2 R134.3 R134.4 R136.1 R136.2 R136.3 R136.4 R138.1 R138.2 R138.3 R138.4 R139.2 R140.2 R142.2 R144.1 R163.1 R164.1 R165.1 R166.1 R167.1 R169.1 R170.1 R171.1 R172.1 R174.2 R180.1 R185.1 R186.1 R189.1 R191.2 R193.1 SD1.4 U3.5 U3.6 U8.5 U8.17 U8.21 U10.F2 U10.F3 U10.F4 U10.F5 U10.F6 U10.F7 U10.F8 U10.F9 U10.H3 U10.H8 U10.L2 U10.L4 U10.L7 U10.L9 U10.P3 U10.P8 U11.19 U13.1 U15.1 U16.1 U16.16 U17.16 U18.1 U18.2 U18.20 U23.8 U23.13 U25.7 U27.6 U32.3 U32.16 U33.2 U33.16 U34.1 U44.5 | length 312.5
  TopLayer w0.15: v1(66.125,275.55) U8.21@67.025,275.55 ; U8.17@68.275,277.3 v1(68.275,278.275) ; v1(69.775,272.375) U8.5@69.775,273.3 ; v1(80.55,271.875) U10.P8@81.05,272.375 ; v1(80.55,277.875) U10.P3@81.05,277.375 ; v1(83.55,270.875) U10.L9@84.05,271.375 ; v1(83.55,272.875) U10.L7@84.05,273.375 ; v1(83.55,276.875) U10.L4@84.05,276.375 ; v1(83.55,278.875) U10.L2@84.05,278.375 ; U10.H8@87.05,272.375 v1(87.55,271.875) ; U10.H3@87.05,277.375 v1(87.55,277.875) ; U10.F9@89.05,271.375 v1(89.55,270.875) ; U10.F8@89.05,272.375 v1(89.55,271.875) ; U10.F7@89.05,273.375 v1(89.55,272.875) ; U10.F6@89.05,274.375 v1(89.55,273.875) ; U10.F5@89.05,275.375 v1(89.55,275.875) ; U10.F4@89.05,276.375 v1(89.55,276.875) ; U10.F3@89.05,277.375 v1(89.55,277.875) ; U10.F2@89.05,278.375 v1(89.55,278.875) ; U16.1@133.255,314.875 v1(137.92,314.875) ; U18.1@133.4,301.225 133.4,303.275 ; v1(133.4,305.95) 133.4,303.275 ; U18.2@134.05,301.225 134.05,302.625 133.4,303.275
  TopLayer w0.2: v1(77.675,292.45) J8.A77@77.675,293.25 ; J8.A74@78.675,288.05 v1(78.675,288.85) ; v1(86.675,292.45) J8.A41@86.675,293.25 ; J8.A38@87.675,288.05 v1(87.675,288.85)
  TopLayer w0.25: v1(10.975,275.675) R7.1@11.925,275.675 ; v1(10.975,277.675) R8.1@11.925,277.675 ; v1(12.275,269.725) R10.1@13.225,269.725 ; SD1.4@54.375,272.375 v1(55.325,272.375) ; R28.1@58.7,267.325 59.6,267.325 61.6,269.325 v1(61.6,270.65) ; R30.1@58.7,271.825 v1(59.6,271.825) ; R31.1@58.7,275.325 v1(59.6,275.325) ; R32.1@58.7,277.575 v1(59.6,277.575) ; R29.1@58.75,269.625 59.675,269.625 60.225,270.175 v1(60.225,270.55) ; v1(61.8,273.375) R35.2@62.675,273.375 ; U11.19@78.435,323.06 78.435,323.96 v1(78.785,324.31) ; v1(133.4,305.95) U18.20@133.4,307.125 ; v1(137.92,314.875) U16.16@139.095,314.875 ; v1(137.92,321.65) U17.16@139.095,321.65 ; U33.16@210.45,309.52 v1(210.45,308.3) 211.1,307.65 U33.2@211.1,303.68 ; U32.16@210.45,319.545 v1(210.45,318.4) 211.75,317.1 U32.3@211.75,313.705 ; R75.2@210.475,324.6 v1(210.475,325.4) ; R77.2@212.525,324.6 v1(212.525,325.4)
  TopLayer w0.3: v1(11.85,287.05) R9.2@12.875,287.05 ; R11.2@14.875,283.375 16.195,283.375 J4.4@17.38,284.56 16.815,285.125 C3.2@14.875,285.125 ; v1(16.975,294.575) R15.2@17.925,294.575 ; U3.5@19.035,276.585 19.735,276.585 v1(20.175,277.025) 19.665,277.535 U3.6@19.035,277.535 ; U13.1@100.175,304.375 v1(100.175,306.65) ; U15.1@120.65,304.375 v1(120.65,306.6) ; v1(177.05,271.475) 177.4,271.825 U23.13@177.4,272.275 ; v1(177.05,275.975) 177.4,275.625 U23.8@177.4,275.175 ; v1(183.8,271.95) 184.075,272.225 U25.7@185.1,272.225 ; R64.2@184.7,275.05 v1(184.7,276.125) ; v1(186.16,257.31) U27.6@187.45,257.31 ; C58.2@211.723,251.325 211.783,251.265 v1(212.507,251.265) U34.1@213.875,251.265
  TopLayer w0.5: P1.9@126.7,262.15 130.725,262.15 v1(132.1,263.525) ; P1.11@126.7,263.15 130.3,263.15 v1(131.375,264.225)
  MidLayer4 w0.5: v1(13.475,317.825) 15.375,317.825 21.075,323.525 v1(33.375,323.525) 34.55,324.7 34.55,328.2 36.825,330.475 37.46,330.475 v1(53.25,330.475)
  BottomLayer w0.15: C198.1@67.425,278.075 C198.1@67.625,278.275 ; R138.4@146.275,303.95 146.275,303.38 146.38,303.275 147.155,303.275 ; R138.3@147.075,303.95 147.075,303.355 147.155,303.275 ; R138.2@147.875,303.95 147.875,303.295 147.855,303.275 ; R138.1@148.675,303.95 148.675,303.295 148.655,303.275 ; R136.4@149.93,303.95 149.93,303.325 149.98,303.275 ; R136.3@150.73,303.95 150.73,303.275 ; R136.2@151.53,303.95 151.53,303.275 ; R136.1@152.33,303.95 152.33,303.4 152.205,303.275 151.53,303.275 ; R134.4@163.15,303.95 163.15,303.38 163.255,303.275 164.03,303.275 ; R134.3@163.95,303.95 163.95,303.355 164.03,303.275 ; R134.2@164.75,303.95 164.75,303.295 164.73,303.275 ; R134.1@165.55,303.95 165.55,303.295 165.53,303.275 ; R133.4@166.805,303.95 166.805,303.325 166.855,303.275 ; R133.3@167.605,303.95 167.605,303.275 ; R133.2@168.405,303.95 168.405,303.275 ; R133.1@169.205,303.95 169.205,303.4 169.08,303.275 168.405,303.275 ; R128.4@180.025,303.95 180.025,303.38 180.13,303.275 180.905,303.275 ; R128.3@180.825,303.95 180.825,303.355 180.905,303.275 ; R128.2@181.625,303.95 181.625,303.295 181.605,303.275 ; R128.1@182.425,303.95 182.425,303.295 182.405,303.275 ; R126.4@183.68,303.95 183.68,303.325 183.73,303.275 ; R126.3@184.48,303.95 184.48,303.275 ; R126.2@185.28,303.95 185.28,303.275 ; R126.1@186.08,303.95 186.08,303.4 185.955,303.275 185.28,303.275 ; R109.4@196.9,303.95 196.9,303.38 197.005,303.275 197.78,303.275 ; R109.3@197.7,303.95 197.7,303.355 197.78,303.275 ; R109.2@198.5,303.95 198.5,303.295 198.48,303.275 ; R109.1@199.3,303.95 199.3,303.295 199.28,303.275 ; R105.4@200.555,303.95 200.555,303.325 200.605,303.275 ; R105.3@201.355,303.95 201.355,303.275 ; R105.2@202.155,303.95 202.155,303.275 ; R105.1@202.955,303.95 202.955,303.4 202.83,303.275 202.155,303.275 ; 147.155,303.275 147.855,303.275 ; 147.855,303.275 148.655,303.275 ; 148.655,303.275 149.98,303.275 ; 149.98,303.275 150.73,303.275 ; 150.73,303.275 151.53,303.275 ; 164.03,303.275 164.73,303.275 ; 164.73,303.275 165.53,303.275 ; 165.53,303.275 166.855,303.275 ; 166.855,303.275 167.605,303.275 ; 167.605,303.275 168.405,303.275 ; 180.905,303.275 181.605,303.275 ; 181.605,303.275 182.405,303.275 ; 182.405,303.275 183.73,303.275 ; 183.73,303.275 184.48,303.275 ; 184.48,303.275 185.28,303.275 ; 197.78,303.275 198.48,303.275 ; 198.48,303.275 199.28,303.275 ; 199.28,303.275 200.605,303.275 ; 200.605,303.275 201.355,303.275 ; 201.355,303.275 202.155,303.275
  BottomLayer w0.25: C200.1@54.375,272.675 54.675,272.375 v1(55.325,272.375) ; C198.1@67.625,278.275 v1(68.275,278.275) ; v1(133.4,305.95) C164.1@133.4,305 134.325,305 134.95,304.375 R142.2@135.6,304.375 ; 149.605,303.175 v1(149.605,302.3) C156.2@148.55,302.3 148.655,302.195 L23.1@148.655,300.825 L22.1@150.53,300.825 ; 166.48,303.175 v1(166.48,302.3) C141.2@165.425,302.3 165.53,302.195 L21.1@165.53,300.825 L20.1@167.405,300.825 ; 183.355,303.175 v1(183.355,302.3) C111.2@182.3,302.3 182.405,302.195 L19.1@182.405,300.825 L18.1@184.28,300.825 ; 200.23,303.175 v1(200.23,302.3) 199.175,302.3 199.28,302.195 L17.1@199.28,300.825 L16.1@201.155,300.825 ; v1(212.507,251.265) 212.792,251.55 C70.2@213.625,251.55 ; R90.2@214.7,244.075 v1(215.725,244.075) ; R84.8@226.425,305.275 227.2,305.275 227.375,305.45 227.375,306.1 ; R84.7@226.425,306.075 227.35,306.075 227.375,306.1 ; R84.6@226.425,306.875 227.35,306.875 227.375,306.9 ; R84.5@226.425,307.675 227.175,307.675 227.375,307.475 227.375,306.9 ; R85.8@226.425,315.95 227.2,315.95 227.375,316.125 227.375,316.775 ; R85.7@226.425,316.75 227.35,316.75 227.375,316.775 ; R85.6@226.425,317.55 227.35,317.55 227.375,317.575 ; R85.5@226.425,318.35 227.175,318.35 227.375,318.15 227.375,317.575 ; 227.375,306.1 v1(227.375,306.475) 227.375,306.9 ; 227.375,316.775 v1(227.375,317.15) 227.375,317.575
  BottomLayer w0.3: v1(13.475,317.825) 15.4,317.825 19.275,321.7 R193.1@19.275,324.4 ; U44.5@15.435,284.56 J4.4@17.38,284.56 ; C221.2@18.75,276.6 19.75,276.6 v1(20.175,277.025) ; v1(22.375,283.825) R191.2@22.375,285.125 ; v1(33.375,323.525) R186.1@33.375,324.45 ; v1(37.46,330.485) R185.1@38.385,330.485 ; v1(53.25,330.475) R180.1@54.175,330.475 ; R174.2@76.26,323.935 78.41,323.935 v1(78.785,324.31) ; v1(76.35,270.775) 76.6,271.025 R169.1@76.6,271.925 R170.1@76.6,273.925 ; R171.1@76.6,275.925 R172.1@76.6,277.925 76.6,282.725 77.65,283.775 R167.1@79.75,283.775 81.375,283.775 ; C183.1@82.7,269.775 82.7,268.025 83.05,267.675 R163.1@86.125,267.675 ; C183.1@82.85,269.775 82.85,270.175 v1(83.55,270.875) ; v1(83.55,278.875) 83.55,279.225 C182.1@82.875,279.9 82.875,280.3 82.35,280.825 81.875,280.825 81.375,281.325 81.375,283.775 ; R164.1@85.05,283.775 R166.1@83,283.775 81.375,283.775 ; C180.1@86.575,277.675 87.35,277.675 v1(87.55,277.875) ; C178.1@89.35,269.8 89.35,270.675 v1(89.55,270.875) ; C179.1@89.35,280 89.35,279.075 v1(89.55,278.875) ; v1(89.55,273.875) 89.85,274.175 C177.1@89.85,274.9 89.85,275.575 v1(89.55,275.875) ; C172.2@100.175,305.625 v1(100.175,306.65) ; C167.2@120.65,305.45 v1(120.65,306.6) ; R144.1@132.95,307.125 132.95,306.275 133.275,305.95 v1(133.4,305.95) ; C162.1@137.2,314.875 v1(137.92,314.875) 139.05,314.875 R140.2@139.1,314.925 ; C163.1@137.2,321.675 139.125,321.675 R139.2@139.15,321.7 ; C104.1@186.125,258.15 186.125,256.5 C103.1@186.175,256.45 186.4,256.675 R119.1@187.525,256.675 ; R124.1@187.075,268.325 187.763,268.325 ; R119.1@187.675,256.675 187.675,258.125 189.425,259.875 R120.1@189.425,261.025 ; v1(188.1,266.25) 187.763,266.587 187.763,268.325 ; R122.1@188.45,268.325 187.763,268.325 ; R93.1@210.025,309.5 210.025,308.725 v1(210.45,308.3) C80.1@210.45,307.575 ; R94.1@210.025,319.55 210.025,318.825 v1(210.45,318.4) C78.1@210.45,317.625